# Altium PCB carboard.PcbDoc (part 3 of 4) (continued)
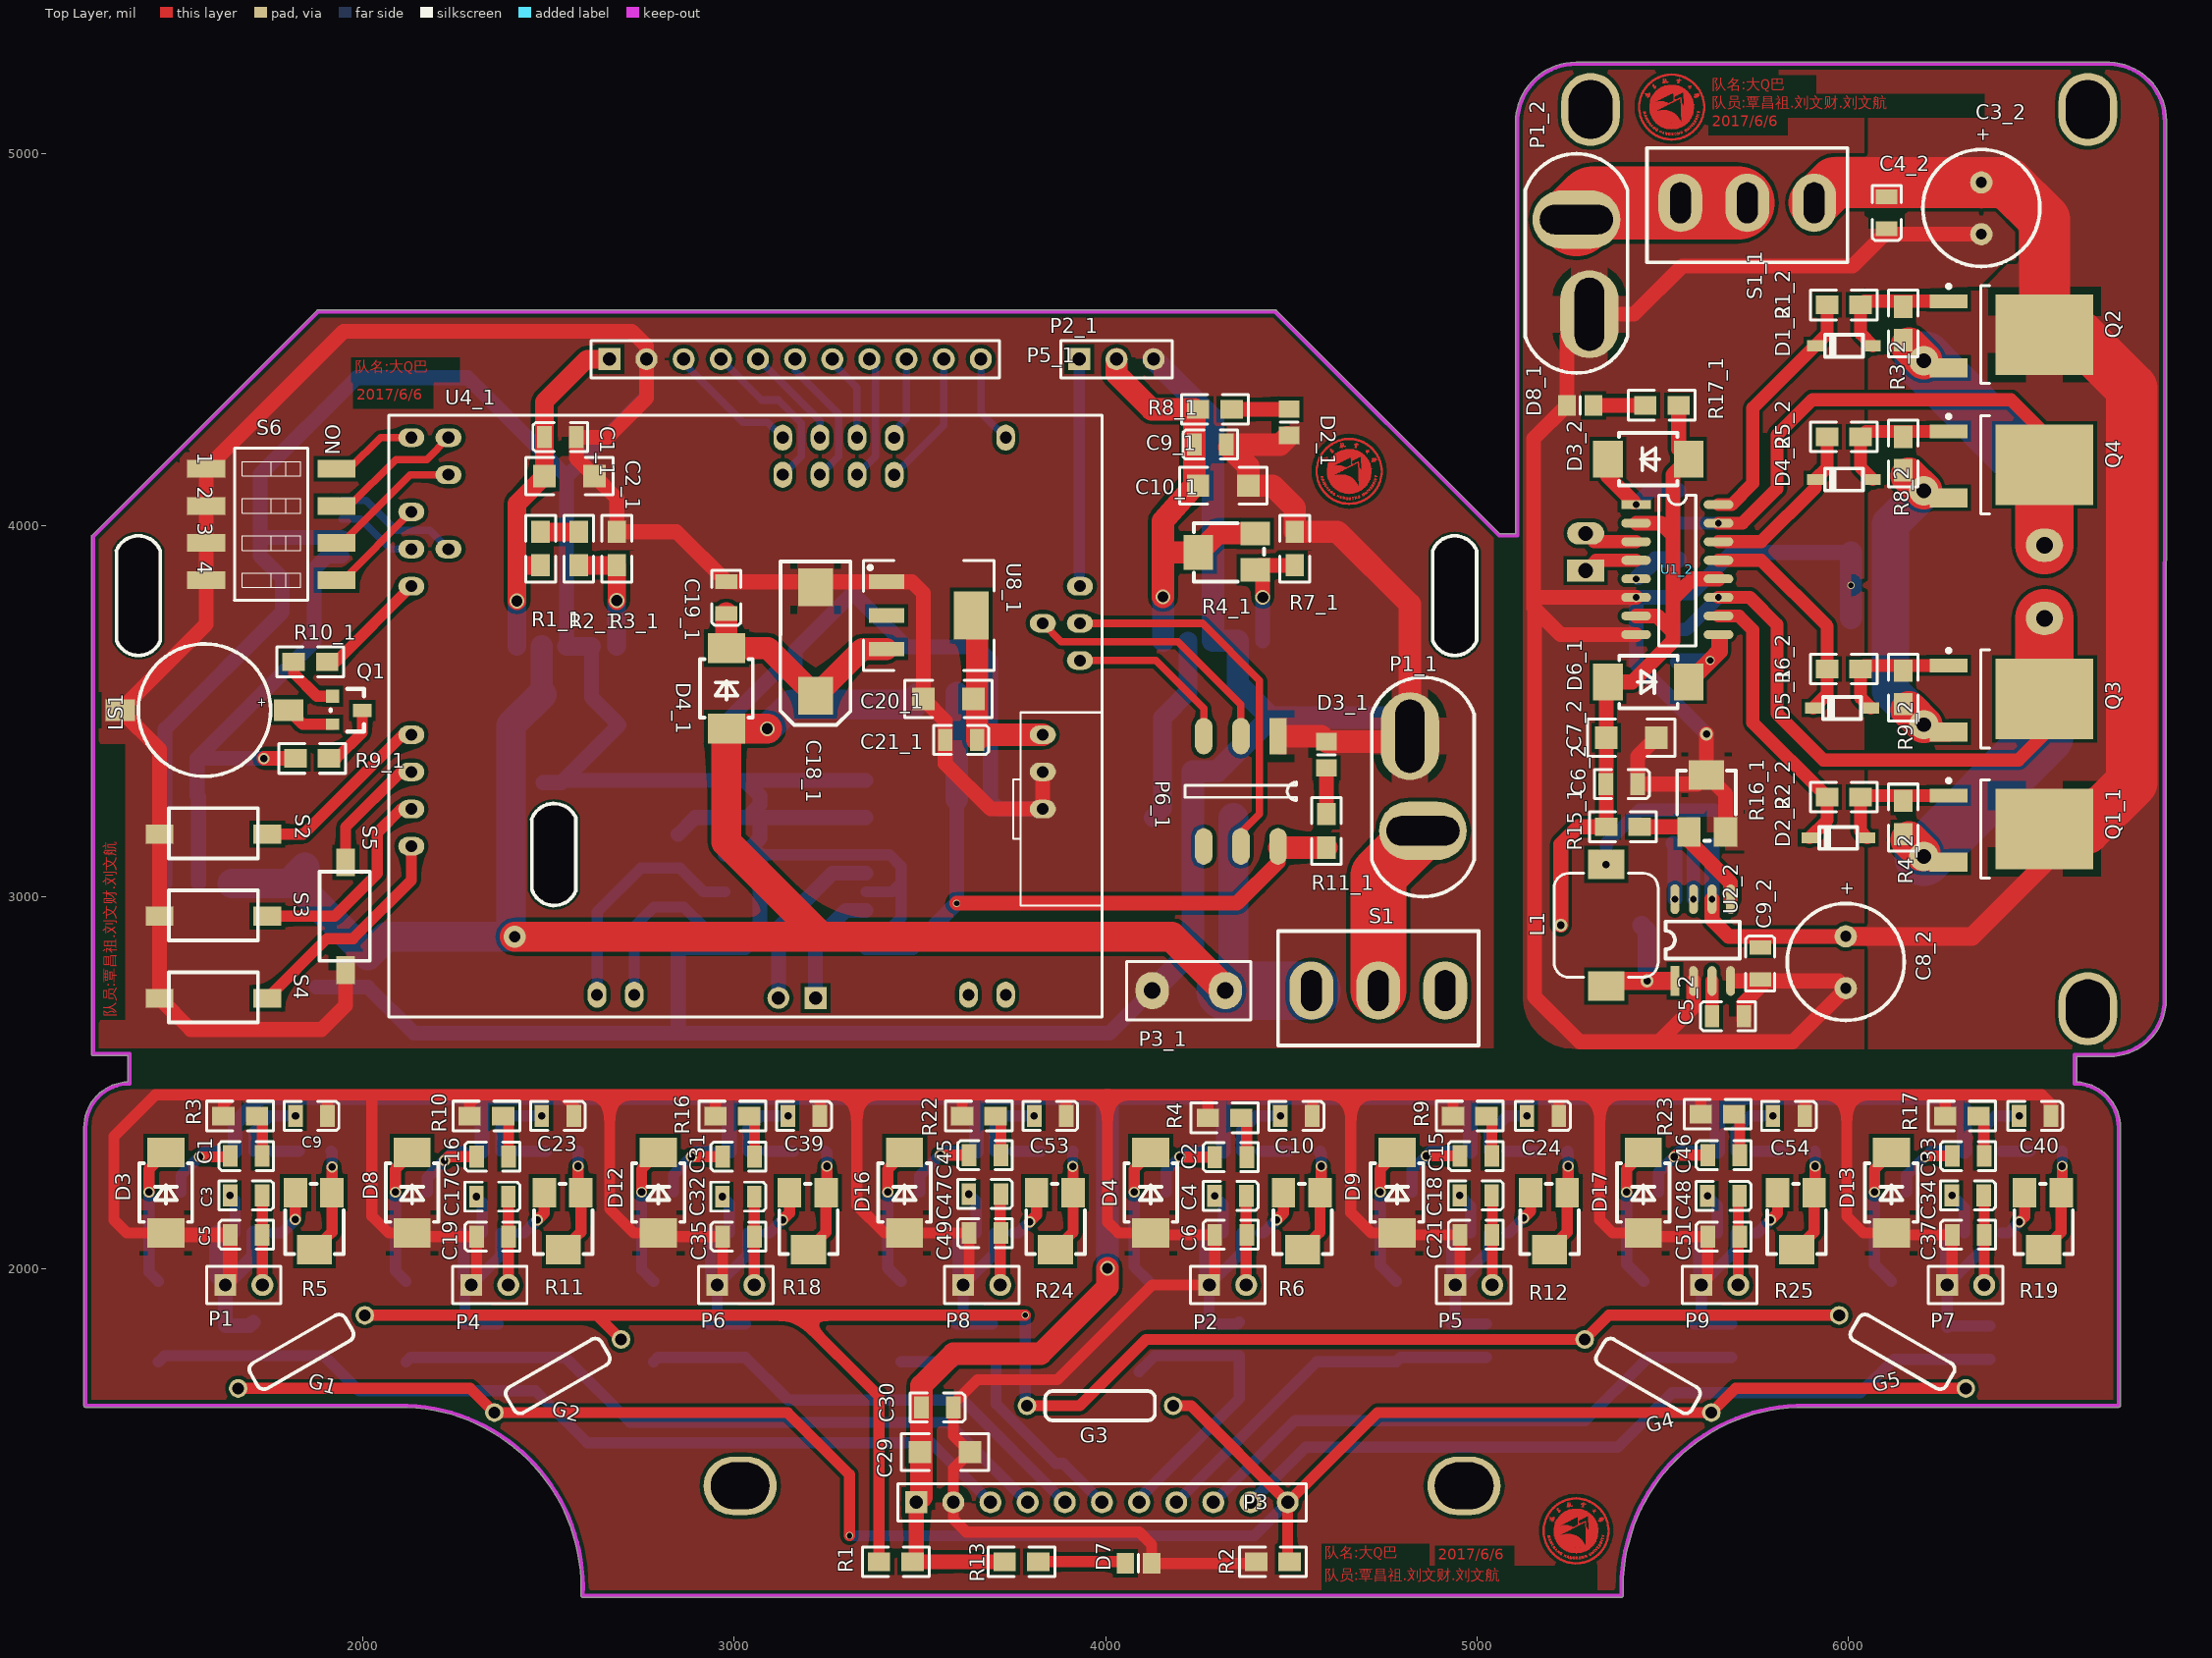
[diagram p0: Top Layer view]
## Nets (pads, with @x,y where several pads share a name; then routed paths per layer and width w, separated by ;. In a path a pad name is that pad's centre, name@x,y a point inside that pad or via, vN(x,y) a via of type N, cw(c..) or ccw(c..) an arc to the next point about the centre after c; other vN are vias at no path point) (continued)
; 5483.28,5064.7 5485.28,5064.7 ; 5483.28,5206.7 5493.28,5206.7 ; 5484.28,5082.7 5513.28,5082.7 ; 5484.28,5171.7 5562.28,5171.7 ; 5484.28,5172.7 5562.28,5172.7 ; 5485.28,5046.7 5496.28,5046.7 ; 5485.28,5066.7 5486.28,5066.7 ; 5485.28,5067.7 5486.28,5067.7 ; 5485.28,5081.7 5513.28,5081.7 ; 5485.28,5207.7 5496.28,5207.7 ; 5486.28,5080.7 5512.28,5080.7 ; 5486.28,5141.7 5502.28,5141.7 ; 5486.28,5173.7 5560.28,5173.7 ; 5487.28,5045.7 5500.28,5045.7 ; 5487.28,5079.7 5512.28,5079.7 ; 5487.28,5174.7 5559.28,5174.7 ; 5487.28,5208.7 5500.28,5208.7 ; 5488.28,5116.7 5515.28,5116.7 ; 5489.28,5044.7 5502.28,5044.7 ; 5489.28,5078.7 5559.28,5078.7 ; 5489.28,5175.7 5558.28,5175.7 ; 5489.28,5209.7 5502.28,5209.7 ; 5490.28,5058.7 5491.28,5058.7 ; 5490.28,5077.7 5557.28,5077.7 ; 5490.28,5176.7 5557.28,5176.7 ; 5491.28,5059.7 5492.28,5059.7 ; 5491.28,5060.7 5494.28,5060.7 ; 5492.28,5043.7 5508.28,5043.7 ; 5492.28,5061.7 5493.28,5061.7 ; 5492.28,5062.7 5493.28,5062.7 ; 5492.28,5076.7 5555.28,5076.7 ; 5492.28,5177.7 5554.28,5177.7 ; 5492.28,5210.7 5508.28,5210.7 ; 5493.28,5075.7 5553.28,5075.7 ; 5493.28,5178.7 5553.28,5178.7 ; 5494.28,5042.7 5514.28,5042.7 ; 5494.28,5057.7 5495.28,5057.7 ; 5494.28,5058.7 5496.28,5058.7 ; 5494.28,5059.7 5496.28,5059.7 ; 5494.28,5117.7 5510.28,5117.7 ; 5494.28,5211.7 5514.28,5211.7 ; 5495.28,5060.7 5496.28,5060.7 ; 5495.28,5074.7 5552.28,5074.7 ; 5495.28,5179.7 5552.28,5179.7 ; 5496.28,5061.7 5497.28,5061.7 ; 5497.28,5041.7 5550.28,5041.7 ; 5497.28,5073.7 5549.28,5073.7 ; 5498.28,5055.7 5499.28,5055.7 ; 5498.28,5056.7 5501.28,5056.7 ; 5498.28,5180.7 5550.28,5180.7 ; 5498.28,5191.7 5500.28,5191.7 ; 5498.28,5192.7 5500.28,5192.7 ; 5498.28,5212.7 5549.28,5212.7 ; 5499.28,5057.7 5500.28,5057.7 ; 5499.28,5072.7 5547.28,5072.7 ; 5499.28,5181.7 5547.28,5181.7 ; 5500.28,5055.7 5503.28,5055.7 ; 5500.28,5058.7 5501.28,5058.7 ; 5500.28,5193.7 5505.28,5193.7 ; 5500.28,5194.7 5505.28,5194.7 ; 5500.28,5197.7 5504.28,5197.7 ; 5500.28,5198.7 5504.28,5198.7 ; 5500.28,5202.7 5503.28,5202.7 ; 5501.28,5040.7 5546.28,5040.7 ; 5501.28,5059.7 5503.28,5059.7 ; 5501.28,5192.7 5503.28,5192.7 ; 5501.28,5195.7 5505.28,5195.7 ; 5501.28,5196.7 5505.28,5196.7 ; 5501.28,5199.7 5503.28,5199.7 ; 5501.28,5200.7 5502.28,5200.7 ; 5501.28,5201.7 5503.28,5201.7 ; 5502.28,5053.7 5503.28,5053.7 ; 5502.28,5054.7 5503.28,5054.7 ; 5502.28,5056.7 5503.28,5056.7 ; 5502.28,5057.7 5503.28,5057.7 ; 5502.28,5058.7 5503.28,5058.7 ; 5502.28,5071.7 5544.28,5071.7 ; 5502.28,5182.7 5545.28,5182.7 ; 5502.28,5191.7 5503.28,5191.7 ; 5502.28,5213.7 5545.28,5213.7 ; 5504.28,5070.7 5542.28,5070.7 ; 5504.28,5183.7 5542.28,5183.7 ; 5504.28,5191.7 5506.28,5191.7 ; 5504.28,5192.7 5505.28,5192.7 ; 5504.28,5214.7 5542.28,5214.7 ; 5505.28,5039.7 5542.28,5039.7 ; 5505.28,5197.7 5509.28,5197.7 ; 5505.28,5202.7 5508.28,5202.7 ; 5506.28,5052.7 5507.28,5052.7 ; 5506.28,5053.7 5507.28,5053.7 ; 5506.28,5054.7 5507.28,5054.7 ; 5506.28,5055.7 5507.28,5055.7 ; 5506.28,5194.7 5507.28,5194.7 ; 5506.28,5195.7 5509.28,5195.7 ; 5506.28,5198.7 5509.28,5198.7 ; 5507.28,5057.7 5509.28,5057.7 ; 5507.28,5058.7 5509.28,5058.7 ; 5507.28,5196.7 5509.28,5196.7 ; 5507.28,5199.7 5509.28,5199.7 ; 5507.28,5201.7 5508.28,5201.7 ; 5508.28,5055.7 5509.28,5055.7 ; 5508.28,5056.7 5509.28,5056.7 ; 5508.28,5200.7 5509.28,5200.7 ; 5509.28,5052.7 5511.28,5052.7 ; 5509.28,5053.7 5510.28,5053.7 ; 5509.28,5054.7 5510.28,5054.7 ; 5509.28,5069.7 5538.28,5069.7 ; 5509.28,5184.7 5538.28,5184.7 ; 5509.28,5193.7 5513.28,5193.7 ; 5511.28,5038.7 5536.28,5038.7 ; 5511.28,5054.7 5512.28,5054.7 ; 5511.28,5055.7 5512.28,5055.7 ; 5511.28,5056.7 5512.28,5056.7 ; 5511.28,5057.7 5512.28,5057.7 ; 5511.28,5194.7 5514.28,5194.7 ; 5511.28,5215.7 5535.28,5215.7 ; 5512.28,5068.7 5534.28,5068.7 ; 5513.28,5185.7 5536.28,5185.7 ; 5514.28,5053.7 5516.28,5053.7 ; 5514.28,5054.7 5516.28,5054.7 ; 5514.28,5080.7 5520.28,5080.7 ; 5514.28,5081.7 5518.28,5081.7 ; 5514.28,5082.7 5518.28,5082.7 ; 5514.28,5083.7 5517.28,5083.7 ; 5514.28,5084.7 5518.28,5084.7 ; 5514.28,5085.7 5518.28,5085.7 ; 5515.28,5052.7 5516.28,5052.7 ; 5515.28,5055.7 5516.28,5055.7 ; 5515.28,5056.7 5520.28,5056.7 ; 5515.28,5079.7 5519.28,5079.7 ; 5516.28,5051.7 5520.28,5051.7 ; 5516.28,5136.7 5519.28,5136.7 ; 5517.28,5137.7 5521.28,5137.7 ; 5518.28,5052.7 5520.28,5052.7 ; 5518.28,5053.7 5520.28,5053.7 ; 5519.28,5055.7 5520.28,5055.7 ; 5519.28,5083.7 5521.28,5083.7 ; 5519.28,5084.7 5521.28,5084.7 ; 5520.28,5081.7 5521.28,5081.7 ; 5520.28,5082.7 5521.28,5082.7 ; 5520.28,5138.7 5523.28,5138.7 ; 5521.28,5037.7 5522.28,5037.7 ; 5521.28,5079.7 5527.28,5079.7 ; 5521.28,5085.7 5526.28,5085.7 ; 5521.28,5139.7 5525.28,5139.7 ; 5522.28,5080.7 5527.28,5080.7 ; 5522.28,5081.7 5528.28,5081.7 ; 5522.28,5084.7 5525.28,5084.7 ; 5523.28,5051.7 5525.28,5051.7 ; 5523.28,5052.7 5527.28,5052.7 ; 5523.28,5053.7 5526.28,5053.7 ; 5523.28,5054.7 5526.28,5054.7 ; 5523.28,5055.7 5527.28,5055.7 ; 5523.28,5056.7 5524.28,5056.7 ; 5523.28,5066.7 5524.28,5066.7 ; 5523.28,5082.7 5527.28,5082.7 ; 5523.28,5083.7 5525.28,5083.7 ; 5523.28,5216.7 5524.28,5216.7 ; 5524.28,5037.7 5525.28,5037.7 ; 5524.28,5140.7 5527.28,5140.7 ; 5525.28,5141.7 5529.28,5141.7 ; 5526.28,5051.7 5528.28,5051.7 ; 5526.28,5056.7 5527.28,5056.7 ; 5526.28,5083.7 5534.28,5083.7 ; 5528.28,5084.7 5531.28,5084.7 ; 5528.28,5142.7 5531.28,5142.7 ; 5528.28,5162.7 5544.28,5162.7 ; 5528.28,5163.7 5546.28,5163.7 ; 5528.28,5165.7 5550.28,5165.7 ; 5529.28,5079.7 5531.28,5079.7 ; 5529.28,5080.7 5532.28,5080.7 ; 5529.28,5082.7 5534.28,5082.7 ; 5529.28,5085.7 5532.28,5085.7 ; 5529.28,5143.7 5533.28,5143.7 ; 5529.28,5144.7 5534.28,5144.7 ; 5529.28,5145.7 5537.28,5145.7 ; 5529.28,5146.7 5538.28,5146.7 ; 5529.28,5147.7 5531.28,5147.7 ; 5529.28,5148.7 5530.28,5148.7 ; 5529.28,5149.7 5530.28,5149.7 ; 5529.28,5150.7 5530.28,5150.7 ; 5529.28,5151.7 5530.28,5151.7 ; 5529.28,5152.7 5530.28,5152.7 ; 5529.28,5153.7 5530.28,5153.7 ; 5529.28,5154.7 5531.28,5154.7 ; 5529.28,5155.7 5531.28,5155.7 ; 5529.28,5156.7 5532.28,5156.7 ; 5529.28,5157.7 5534.28,5157.7 ; 5529.28,5158.7 5536.28,5158.7 ; 5529.28,5159.7 5538.28,5159.7 ; 5529.28,5160.7 5540.28,5160.7 ; 5529.28,5161.7 5542.28,5161.7 ; 5529.28,5164.7 5548.28,5164.7 ; 5530.28,5081.7 5533.28,5081.7 ; 5531.28,5052.7 5532.28,5052.7 ; 5531.28,5053.7 5532.28,5053.7 ; 5531.28,5054.7 5532.28,5054.7 ; 5531.28,5055.7 5532.28,5055.7 ; 5531.28,5056.7 5532.28,5056.7 ; 5532.28,5057.7 5534.28,5057.7 ; 5532.28,5079.7 5533.28,5079.7 ; 5532.28,5084.7 5534.28,5084.7 ; 5533.28,5042.7 5552.28,5042.7 ; 5533.28,5051.7 5534.28,5051.7 ; 5533.28,5080.7 5535.28,5080.7 ; 5533.28,5211.7 5552.28,5211.7 ; 5534.28,5056.7 5536.28,5056.7 ; 5535.28,5052.7 5536.28,5052.7 ; 5535.28,5053.7 5536.28,5053.7 ; 5535.28,5054.7 5536.28,5054.7 ; 5535.28,5055.7 5536.28,5055.7 ; 5535.28,5081.7 5562.28,5081.7 ; 5535.28,5085.7 5549.28,5085.7 ; 5536.28,5079.7 5559.28,5079.7 ; 5536.28,5080.7 5560.28,5080.7 ; 5536.28,5082.7 5562.28,5082.7 ; 5536.28,5083.7 5564.28,5083.7 ; 5536.28,5084.7 5565.28,5084.7 ; 5537.28,5198.7 5538.28,5198.7 ; 5537.28,5199.7 5539.28,5199.7 ; 5538.28,5057.7 5541.28,5057.7 ; 5538.28,5058.7 5540.28,5058.7 ; 5538.28,5147.7 5541.28,5147.7 ; 5538.28,5191.7 5544.28,5191.7 ; 5538.28,5200.7 5547.28,5200.7 ; 5538.28,5210.7 5555.28,5210.7 ; 5539.28,5043.7 5555.28,5043.7 ; 5539.28,5054.7 5540.28,5054.7 ; 5539.28,5055.7 5540.28,5055.7 ; 5539.28,5056.7 5540.28,5056.7 ; 5539.28,5148.7 5542.28,5148.7 ; 5539.28,5201.7 5540.28,5201.7 ; 5540.28,5052.7 5541.28,5052.7 ; 5540.28,5053.7 5541.28,5053.7 ; 5540.28,5192.7 5542.28,5192.7 ; 5540.28,5193.7 5543.28,5193.7 ; 5540.28,5194.7 5543.28,5194.7 ; 5540.28,5196.7 5541.28,5196.7 ; 5540.28,5197.7 5542.28,5197.7 ; 5540.28,5198.7 5542.28,5198.7 ; 5541.28,5056.7 5542.28,5056.7 ; 5541.28,5149.7 5545.28,5149.7 ; 5542.28,5054.7 5545.28,5054.7 ; 5542.28,5055.7 5543.28,5055.7 ; 5542.28,5195.7 5543.28,5195.7 ; 5542.28,5201.7 5545.28,5201.7 ; 5543.28,5053.7 5544.28,5053.7 ; 5543.28,5056.7 5545.28,5056.7 ; 5543.28,5057.7 5544.28,5057.7 ; 5543.28,5058.7 5544.28,5058.7 ; 5543.28,5059.7 5544.28,5059.7 ; 5543.28,5150.7 5546.28,5150.7 ; 5543.28,5196.7 5545.28,5196.7 ; 5543.28,5197.7 5545.28,5197.7 ; 5543.28,5198.7 5545.28,5198.7 ; 5543.28,5202.7 5545.28,5202.7 ; 5543.28,5203.7 5544.28,5203.7 ; 5544.28,5044.7 5558.28,5044.7 ; 5544.28,5055.7 5545.28,5055.7 ; 5544.28,5199.7 5545.28,5199.7 ; 5544.28,5209.7 5558.28,5209.7 ; 5545.28,5151.7 5549.28,5151.7 ; 5547.28,5045.7 5560.28,5045.7 ; 5547.28,5056.7 5552.28,5056.7 ; 5547.28,5057.7 5548.28,5057.7 ; 5547.28,5058.7 5548.28,5058.7 ; 5547.28,5059.7 5548.28,5059.7 ; 5547.28,5060.7 5548.28,5060.7 ; 5547.28,5152.7 5549.28,5152.7 ; 5547.28,5198.7 5549.28,5198.7 ; 5547.28,5199.7 5549.28,5199.7 ; 5547.28,5208.7 5560.28,5208.7 ; 5548.28,5139.7 5550.28,5139.7 ; 5548.28,5141.7 5550.28,5141.7 ; 5548.28,5142.7 5550.28,5142.7 ; 5548.28,5143.7 5550.28,5143.7 ; 5548.28,5144.7 5550.28,5144.7 ; 5548.28,5145.7 5550.28,5145.7 ; 5548.28,5146.7 5550.28,5146.7 ; 5548.28,5147.7 5550.28,5147.7 ; 5548.28,5148.7 5550.28,5148.7 ; 5548.28,5149.7 5549.28,5149.7 ; 5548.28,5150.7 5549.28,5150.7 ; 5549.28,5055.7 5550.28,5055.7 ; 5549.28,5061.7 5551.28,5061.7 ; 5549.28,5102.7 5578.28,5102.7 ; 5549.28,5103.7 5578.28,5103.7 ; 5549.28,5104.7 5578.28,5104.7 ; 5549.28,5105.7 5580.28,5105.7 ; 5549.28,5106.7 5579.28,5106.7 ; 5549.28,5107.7 5580.28,5107.7 ; 5549.28,5108.7 5580.28,5108.7 ; 5549.28,5109.7 5580.28,5109.7 ; 5549.28,5110.7 5580.28,5110.7 ; 5549.28,5111.7 5582.28,5111.7 ; 5549.28,5112.7 5581.28,5112.7 ; 5549.28,5113.7 5581.28,5113.7 ; 5549.28,5114.7 5582.28,5114.7 ; 5549.28,5115.7 5582.28,5115.7 ; 5549.28,5116.7 5582.28,5116.7 ; 5549.28,5117.7 5582.28,5117.7 ; 5549.28,5118.7 5582.28,5118.7 ; 5549.28,5119.7 5582.28,5119.7 ; 5549.28,5120.7 5582.28,5120.7 ; 5549.28,5121.7 5583.28,5121.7 ; 5549.28,5122.7 5583.28,5122.7 ; 5549.28,5123.7 5583.28,5123.7 ; 5549.28,5124.7 5583.28,5124.7 ; 5549.28,5125.7 5583.28,5125.7 ; 5549.28,5126.7 5583.28,5126.7 ; 5549.28,5127.7 5583.28,5127.7 ; 5549.28,5128.7 5556.28,5128.7 ; 5549.28,5129.7 5556.28,5129.7 ; 5549.28,5130.7 5555.28,5130.7 ; 5549.28,5131.7 5554.28,5131.7 ; 5549.28,5132.7 5554.28,5132.7 ; 5549.28,5133.7 5553.28,5133.7 ; 5549.28,5134.7 5552.28,5134.7 ; 5549.28,5135.7 5551.28,5135.7 ; 5549.28,5136.7 5551.28,5136.7 ; 5549.28,5137.7 5550.28,5137.7 ; 5549.28,5138.7 5550.28,5138.7 ; 5549.28,5140.7 5550.28,5140.7 ; 5550.28,5058.7 5553.28,5058.7 ; 5550.28,5085.7 5566.28,5085.7 ; 5550.28,5086.7 5567.28,5086.7 ; 5550.28,5087.7 5568.28,5087.7 ; 5550.28,5088.7 5569.28,5088.7 ; 5550.28,5089.7 5569.28,5089.7 ; 5550.28,5090.7 5571.28,5090.7 ; 5550.28,5091.7 5571.28,5091.7 ; 5550.28,5092.7 5572.28,5092.7 ; 5550.28,5093.7 5573.28,5093.7 ; 5550.28,5094.7 5573.28,5094.7 ; 5550.28,5095.7 5574.28,5095.7 ; 5550.28,5096.7 5575.28,5096.7 ; 5550.28,5097.7 5575.28,5097.7 ; 5550.28,5098.7 5577.28,5098.7 ; 5550.28,5099.7 5576.28,5099.7 ; 5550.28,5100.7 5577.28,5100.7 ; 5550.28,5101.7 5577.28,5101.7 ; 5551.28,5046.7 5562.28,5046.7 ; 5551.28,5057.7 5553.28,5057.7 ; 5551.28,5059.7 5552.28,5059.7 ; 5551.28,5207.7 5562.28,5207.7 ; 5553.28,5047.7 5564.28,5047.7 ; 5553.28,5206.7 5564.28,5206.7 ; 5556.28,5048.7 5566.28,5048.7 ; 5556.28,5150.7 5578.28,5150.7 ; 5556.28,5151.7 5578.28,5151.7 ; 5556.28,5152.7 5577.28,5152.7 ; 5556.28,5153.7 5577.28,5153.7 ; 5556.28,5154.7 5576.28,5154.7 ; 5556.28,5155.7 5576.28,5155.7 ; 5556.28,5156.7 5575.28,5156.7 ; 5556.28,5157.7 5575.28,5157.7 ; 5556.28,5158.7 5574.28,5158.7 ; 5556.28,5159.7 5573.28,5159.7 ; 5556.28,5160.7 5573.28,5160.7 ; 5556.28,5161.7 5572.28,5161.7 ; 5556.28,5162.7 5571.28,5162.7 ; 5556.28,5163.7 5570.28,5163.7 ; 5556.28,5164.7 5569.28,5164.7 ; 5556.28,5165.7 5569.28,5165.7 ; 5556.28,5166.7 5568.28,5166.7 ; 5556.28,5167.7 5567.28,5167.7 ; 5556.28,5205.7 5566.28,5205.7 ; 5557.28,5128.7 5583.28,5128.7 ; 5557.28,5129.7 5583.28,5129.7 ; 5557.28,5130.7 5583.28,5130.7 ; 5557.28,5131.7 5583.28,5131.7 ; 5557.28,5132.7 5583.28,5132.7 ; 5557.28,5133.7 5584.28,5133.7 ; 5557.28,5134.7 5582.28,5134.7 ; 5557.28,5135.7 5582.28,5135.7 ; 5557.28,5136.7 5582.28,5136.7 ; 5557.28,5137.7 5582.28,5137.7 ; 5557.28,5138.7 5582.28,5138.7 ; 5557.28,5139.7 5582.28,5139.7 ; 5557.28,5140.7 5582.28,5140.7 ; 5557.28,5141.7 5581.28,5141.7 ; 5557.28,5142.7 5581.28,5142.7 ; 5557.28,5143.7 5580.28,5143.7 ; 5557.28,5144.7 5581.28,5144.7 ; 5557.28,5145.7 5580.28,5145.7 ; 5557.28,5146.7 5580.28,5146.7 ; 5557.28,5147.7 5580.28,5147.7 ; 5557.28,5148.7 5579.28,5148.7 ; 5557.28,5149.7 5579.28,5149.7 ; 5558.28,5049.7 5567.28,5049.7 ; 5558.28,5063.7 5560.28,5063.7 ; 5558.28,5064.7 5559.28,5064.7 ; 5558.28,5065.7 5559.28,5065.7 ; 5558.28,5204.7 5567.28,5204.7 ; 5559.28,5062.7 5560.28,5062.7 ; 5560.28,5061.7 5563.28,5061.7 ; 5561.28,5050.7 5570.28,5050.7 ; 5561.28,5066.7 5563.28,5066.7 ; 5561.28,5067.7 5562.28,5067.7 ; 5561.28,5203.7 5569.28,5203.7 ; 5562.28,5051.7 5571.28,5051.7 ; 5562.28,5064.7 5564.28,5064.7 ; 5562.28,5065.7 5564.28,5065.7 ; 5562.28,5202.7 5571.28,5202.7 ; 5563.28,5062.7 5564.28,5062.7 ; 5563.28,5063.7 5564.28,5063.7 ; 5564.28,5069.7 5568.28,5069.7 ; 5565.28,5052.7 5573.28,5052.7 ; 5565.28,5068.7 5566.28,5068.7 ; 5565.28,5083.7 5566.28,5083.7 ; 5565.28,5201.7 5573.28,5201.7 ; 5566.28,5053.7 5574.28,5053.7 ; 5566.28,5066.7 5568.28,5066.7 ; 5566.28,5067.7 5567.28,5067.7 ; 5566.28,5200.7 5574.28,5200.7 ; 5567.28,5054.7 5575.28,5054.7 ; 5567.28,5065.7 5568.28,5065.7 ; 5567.28,5068.7 5569.28,5068.7 ; 5567.28,5199.7 5575.28,5199.7 ; 5568.28,5071.7 5569.28,5071.7 ; 5568.28,5072.7 5569.28,5072.7 ; 5568.28,5179.7 5571.28,5179.7 ; 5568.28,5180.7 5576.28,5180.7 ; 5569.28,5055.7 5577.28,5055.7 ; 5569.28,5069.7 5571.28,5069.7 ; 5569.28,5070.7 5570.28,5070.7 ; 5569.28,5182.7 5571.28,5182.7 ; 5569.28,5183.7 5570.28,5183.7 ; 5569.28,5198.7 5577.28,5198.7 ; 5570.28,5067.7 5571.28,5067.7 ; 5570.28,5068.7 5572.28,5068.7 ; 5570.28,5089.7 5571.28,5089.7 ; 5571.28,5056.7 5578.28,5056.7 ; 5571.28,5074.7 5573.28,5074.7 ; 5571.28,5075.7 5572.28,5075.7 ; 5571.28,5175.7 5572.28,5175.7 ; 5571.28,5176.7 5572.28,5176.7 ; 5571.28,5177.7 5572.28,5177.7 ; 5571.28,5181.7 5574.28,5181.7 ; 5571.28,5197.7 5578.28,5197.7 ; 5572.28,5057.7 5580.28,5057.7 ; 5572.28,5073.7 5573.28,5073.7 ; 5573.28,5072.7 5574.28,5072.7 ; 5573.28,5182.7 5574.28,5182.7 ; 5573.28,5195.7 5580.28,5195.7 ; 5573.28,5196.7 5579.28,5196.7 ; 5574.28,5058.7 5580.28,5058.7 ; 5574.28,5071.7 5576.28,5071.7 ; 5574.28,5077.7 5576.28,5077.7 ; 5574.28,5179.7 5576.28,5179.7 ; 5574.28,5183.7 5576.28,5183.7 ; 5575.28,5076.7 5578.28,5076.7 ; 5575.28,5184.7 5576.28,5184.7 ; 5575.28,5194.7 5582.28,5194.7 ; 5576.28,5059.7 5582.28,5059.7 ; 5576.28,5060.7 5582.28,5060.7 ; 5576.28,5080.7 5578.28,5080.7 ; 5576.28,5193.7 5583.28,5193.7 ; 5577.28,5075.7 5580.28,5075.7 ; 5577.28,5079.7 5578.28,5079.7 ; 5578.28,5061.7 5585.28,5061.7 ; 5578.28,5077.7 5579.28,5077.7 ; 5578.28,5078.7 5579.28,5078.7 ; 5578.28,5192.7 5584.28,5192.7 ; 5579.28,5062.7 5585.28,5062.7 ; 5579.28,5076.7 5580.28,5076.7 ; 5579.28,5083.7 5580.28,5083.7 ; 5579.28,5191.7 5585.28,5191.7 ; 5580.28,5063.7 5586.28,5063.7 ; 5580.28,5082.7 5582.28,5082.7 ; 5580.28,5084.7 5581.28,5084.7 ; 5580.28,5190.7 5587.28,5190.7 ; 5581.28,5064.7 5587.28,5064.7 ; 5581.28,5081.7 5583.28,5081.7 ; 5581.28,5085.7 5582.28,5085.7 ; 5581.28,5189.7 5587.28,5189.7 ; 5582.28,5065.7 5588.28,5065.7 ; 5582.28,5080.7 5584.28,5080.7 ; 5582.28,5083.7 5583.28,5083.7 ; 5582.28,5188.7 5588.28,5188.7 ; 5583.28,5066.7 5589.28,5066.7 ; 5583.28,5079.7 5584.28,5079.7 ; 5583.28,5088.7 5585.28,5088.7 ; 5583.28,5089.7 5584.28,5089.7 ; 5583.28,5154.7 5584.28,5154.7 ; 5583.28,5187.7 5589.28,5187.7 ; 5584.28,5067.7 5590.28,5067.7 ; 5584.28,5081.7 5585.28,5081.7 ; 5584.28,5087.7 5587.28,5087.7 ; 5584.28,5090.7 5585.28,5090.7 ; 5584.28,5153.7 5589.28,5153.7 ; 5584.28,5186.7 5590.28,5186.7 ; 5585.28,5068.7 5591.28,5068.7 ; 5585.28,5082.7 5586.28,5082.7 ; 5585.28,5091.7 5587.28,5091.7 ; 5585.28,5152.7 5586.28,5152.7 ; 5585.28,5155.7 5588.28,5155.7 ; 5585.28,5156.7 5586.28,5156.7 ; 5585.28,5160.7 5588.28,5160.7 ; 5585.28,5185.7 5591.28,5185.7 ; 5586.28,5069.7 5592.28,5069.7 ; 5586.28,5086.7 5589.28,5086.7 ; 5586.28,5088.7 5587.28,5088.7 ; 5586.28,5089.7 5590.28,5089.7 ; 5586.28,5090.7 5587.28,5090.7 ; 5586.28,5154.7 5589.28,5154.7 ; 5586.28,5161.7 5588.28,5161.7 ; 5586.28,5184.7 5591.28,5184.7 ; 5587.28,5070.7 5593.28,5070.7 ; 5587.28,5085.7 5588.28,5085.7 ; 5587.28,5094.7 5590.28,5094.7 ; 5587.28,5095.7 5588.28,5095.7 ; 5587.28,5096.7 5588.28,5096.7 ; 5587.28,5157.7 5590.28,5157.7 ; 5587.28,5183.7 5593.28,5183.7 ; 5588.28,5071.7 5593.28,5071.7 ; 5588.28,5097.7 5590.28,5097.7 ; 5588.28,5182.7 5593.28,5182.7 ; 5589.28,5072.7 5594.28,5072.7 ; 5589.28,5073.7 5595.28,5073.7 ; 5589.28,5088.7 5590.28,5088.7 ; 5589.28,5095.7 5591.28,5095.7 ; 5589.28,5101.7 5592.28,5101.7 ; 5589.28,5152.7 5590.28,5152.7 ; 5589.28,5155.7 5594.28,5155.7 ; 5589.28,5156.7 5594.28,5156.7 ; 5589.28,5159.7 5598.28,5159.7 ; 5589.28,5160.7 5590.28,5160.7 ; 5589.28,5161.7 5591.28,5161.7 ; 5589.28,5180.7 5595.28,5180.7 ; 5589.28,5181.7 5594.28,5181.7 ; 5590.28,5096.7 5593.28,5096.7 ; 5590.28,5158.7 5596.28,5158.7 ; 5590.28,5179.7 5596.28,5179.7 ; 5591.28,5074.7 5596.28,5074.7 ; 5591.28,5075.7 5596.28,5075.7 ; 5591.28,5092.7 5592.28,5092.7 ; 5591.28,5093.7 5593.28,5093.7 ; 5591.28,5104.7 5592.28,5104.7 ; 5591.28,5105.7 5592.28,5105.7 ; 5591.28,5106.7 5596.28,5106.7 ; 5591.28,5157.7 5597.28,5157.7 ; 5591.28,5160.7 5597.28,5160.7 ; 5591.28,5162.7 5595.28,5162.7 ; 5591.28,5177.7 5597.28,5177.7 ; 5591.28,5178.7 5596.28,5178.7 ; 5592.28,5076.7 5597.28,5076.7 ; 5592.28,5094.7 5593.28,5094.7 ; 5592.28,5095.7 5593.28,5095.7 ; 5592.28,5100.7 5596.28,5100.7 ; 5592.28,5107.7 5593.28,5107.7 ; 5592.28,5108.7 5593.28,5108.7 ; 5592.28,5154.7 5595.28,5154.7 ; 5592.28,5161.7 5594.28,5161.7 ; 5593.28,5077.7 5598.28,5077.7 ; 5593.28,5078.7 5598.28,5078.7 ; 5593.28,5105.7 5598.28,5105.7 ; 5593.28,5112.7 5599.28,5112.7 ; 5593.28,5115.7 5595.28,5115.7 ; 5593.28,5153.7 5594.28,5153.7 ; 5593.28,5175.7 5598.28,5175.7 ; 5593.28,5176.7 5598.28,5176.7 ; 5594.28,5079.7 5599.28,5079.7 ; 5594.28,5099.7 5595.28,5099.7 ; 5594.28,5114.7 5596.28,5114.7 ; 5594.28,5174.7 5599.28,5174.7 ; 5595.28,5080.7 5600.28,5080.7 ; 5595.28,5173.7 5600.28,5173.7 ; 5596.28,5081.7 5600.28,5081.7 ; 5596.28,5082.7 5601.28,5082.7 ; 5596.28,5113.7 5599.28,5113.7 ; 5596.28,5161.7 5597.28,5161.7 ; 5596.28,5171.7 5601.28,5171.7 ; 5596.28,5172.7 5600.28,5172.7 ; 5597.28,5083.7 5602.28,5083.7 ; 5597.28,5084.7 5602.28,5084.7 ; 5597.28,5158.7 5598.28,5158.7 ; 5597.28,5169.7 5602.28,5169.7 ; 5597.28,5170.7 5602.28,5170.7 ; 5598.28,5085.7 5602.28,5085.7 ; 5598.28,5086.7 5603.28,5086.7 ; 5598.28,5167.7 5603.28,5167.7 ; 5598.28,5168.7 5602.28,5168.7 ; 5599.28,5087.7 5604.28,5087.7 ; 5599.28,5088.7 5604.28,5088.7 ; 5599.28,5165.7 5604.28,5165.7 ; 5599.28,5166.7 5603.28,5166.7 ; 5600.28,5089.7 5605.28,5089.7 ; 5600.28,5090.7 5605.28,5090.7 ; 5600.28,5163.7 5605.28,5163.7 ; 5600.28,5164.7 5605.28,5164.7 ; 5601.28,5091.7 5605.28,5091.7 ; 5601.28,5092.7 5606.28,5092.7 ; 5601.28,5161.7 5606.28,5161.7 ; 5601.28,5162.7 5605.28,5162.7 ; 5602.28,5093.7 5606.28,5093.7 ; 5602.28,5094.7 5607.28,5094.7 ; 5602.28,5095.7 5607.28,5095.7 ; 5602.28,5158.7 5607.28,5158.7 ; 5602.28,5159.7 5607.28,5159.7 ; 5602.28,5160.7 5606.28,5160.7 ; 5603.28,5096.7 5607.28,5096.7 ; 5603.28,5097.7 5608.28,5097.7 ; 5603.28,5156.7 5608.28,5156.7 ; 5603.28,5157.7 5607.28,5157.7 ; 5604.28,5098.7 5608.28,5098.7 ; 5604.28,5099.7 5609.28,5099.7 ; 5604.28,5153.7 5609.28,5153.7 ; 5604.28,5154.7 5609.28,5154.7 ; 5604.28,5155.7 5608.28,5155.7 ; 5605.28,5100.7 5609.28,5100.7 ; 5605.28,5101.7 5609.28,5101.7 ; 5605.28,5102.7 5609.28,5102.7 ; 5605.28,5103.7 5610.28,5103.7 ; 5605.28,5104.7 5610.28,5104.7 ; 5605.28,5150.7 5610.28,5150.7 ; 5605.28,5151.7 5609.28,5151.7 ; 5605.28,5152.7 5609.28,5152.7 ; 5606.28,5105.7 5610.28,5105.7 ; 5606.28,5106.7 5610.28,5106.7 ; 5606.28,5107.7 5611.28,5107.7 ; 5606.28,5147.7 5611.28,5147.7 ; 5606.28,5148.7 5610.28,5148.7 ; 5606.28,5149.7 5610.28,5149.7 ; 5607.28,5108.7 5611.28,5108.7 ; 5607.28,5109.7 5611.28,5109.7 ; 5607.28,5110.7 5611.28,5110.7 ; 5607.28,5111.7 5611.28,5111.7 ; 5607.28,5112.7 5612.28,5112.7 ; 5607.28,5113.7 5612.28,5113.7 ; 5607.28,5140.7 5612.28,5140.7 ; 5607.28,5141.7 5612.28,5141.7 ; 5607.28,5142.7 5611.28,5142.7 ; 5607.28,5143.7 5611.28,5143.7 ; 5607.28,5144.7 5611.28,5144.7 ; 5607.28,5145.7 5611.28,5145.7 ; 5607.28,5146.7 5611.28,5146.7 ; 5608.28,5114.7 5612.28,5114.7 ; 5608.28,5115.7 5612.28,5115.7 ; 5608.28,5116.7 5612.28,5116.7 ; 5608.28,5117.7 5612.28,5117.7 ; 5608.28,5118.7 5613.28,5118.7 ; 5608.28,5119.7 5613.28,5119.7 ; 5608.28,5120.7 5613.28,5120.7 ; 5608.28,5121.7 5613.28,5121.7 ; 5608.28,5131.7 5613.28,5131.7 ; 5608.28,5133.7 5613.28,5133.7 ; 5608.28,5134.7 5613.28,5134.7 ; 5608.28,5135.7 5613.28,5135.7 ; 5608.28,5136.7 5612.28,5136.7 ; 5608.28,5137.7 5612.28,5137.7 ; 5608.28,5138.7 5612.28,5138.7 ; 5608.28,5139.7 5612.28,5139.7 ; 5609.28,5122.7 5613.28,5122.7 ; 5609.28,5123.7 5613.28,5123.7 ; 5609.28,5124.7 5613.28,5124.7 ; 5609.28,5125.7 5613.28,5125.7 ; 5609.28,5126.7 5613.28,5126.7 ; 5609.28,5127.7 5613.28,5127.7 ; 5609.28,5128.7 5613.28,5128.7 ; 5609.28,5129.7 5613.28,5129.7 ; 5609.28,5130.7 5613.28,5130.7 ; 5609.28,5132.7 5613.28,5132.7
  Top Layer w20: 1929.21,3852.8 1947.01,3852.8 2130.79,4036.57 ; 1929.21,3952.8 1944.02,3952.8 2127.8,4136.57 2230.79,4136.57 ; 1929.21,4052.8 1964.02,4052.8 2089.02,4177.8 2172.01,4177.8 2230.79,4236.57 ; 1929.21,4152.8 1964.02,4152.8 2047.8,4236.57 2130.79,4236.57 ; 3830.79,3736.57 3880.29,3687.07 4194.74,3687.07 4364.02,3517.8 4364.02,3432.8 ; 3930.79,3636.57 4135.24,3636.57 4264.02,3507.8 4264.02,3432.8 ; 3930.79,3736.57 4260.24,3736.57 4414.02,3582.8 4414.02,3222.8 4364.02,3172.8 4364.02,3135.94
  Top Layer w30: v1(1425,2205) 1425,2267 1470,2312 ; 1470,2095 1365,2095 1330,2130 1330,2355 1442.01,2467.01 1650,2467.01 ; v1(1560,2300) 1641.04,2300 1643.66,2302.62 ; 1625,2410 1625,2442.01 1650,2467.01 ; 1646.76,2463.77 1650,2467.01 ; 1664.52,1676.57 2289.52,1676.57 2354.52,1611.57 3143.43,1611.57 3310,1445 v4(3310,1280) ; 1715,2410 1729.66,2395.34 1729.66,2302.62 ; 1729.06,2196.31 1730,2195.38 1730,1955 ; 1743.02,2726.8 1904.02,2887.8 1974.02,2887.8 2130.79,3044.57 2130.79,3136.57 ; 1743.02,2947.8 1924.02,2947.8 2039.02,3062.8 2039.02,3172.8 2102.8,3236.57 2130.79,3236.57 ; 1743.02,3168.8 1840.02,3168.8 2107.8,3436.57 2130.79,3436.57 ; 1800.39,3502.8 1838.15,3465.04 1918.74,3465.04 ; 1814.02,3632.8 1814.02,3602.8 1876.77,3540.04 1918.74,3540.04 ; v1(1818.82,2131.18) 1818.82,2203.86 ; 1870,2050.31 1917.24,2097.56 1917.24,2203.86 v1(1917.24,2272.76) ; 1904.02,3632.8 1927.01,3632.8 2130.79,3836.57 ; 1905,2410 1905,2450 1887.99,2467.01 ; 1909.02,3372.8 1929.02,3372.8 1998.74,3442.52 1998.74,3502.04 ; 1954.02,3092.8 1954.02,3187.8 2102.8,3336.57 2130.79,3336.57 ; 2005.48,1873.43 2630.48,1873.43 ; v1(2087.86,2205) 2087.86,2267 2132.86,2312 ; v1(2220,2290) 2230.96,2300.96 2306.52,2300.96 ; 2287.86,2410 2287.86,2444.87 2310,2467.01 ; 2292.14,1955 2306.52,1969.38 2306.52,2085 2142.86,2085 2132.86,2095 2070,2095 2025,2140 2025,2462.01 2030,2467.01 ; 2377.86,2410 2392.52,2395.34 2392.52,2300.96 ; 2391.92,2192.98 2392.14,2192.76 2392.14,1955 ; v1(2470,2130) 2488.82,2148.82 2488.82,2203.86 ; 2540,2050.31 2587.24,2097.56 2587.24,2203.86 2580,2211.1 v1(2580,2275) ; 2567.86,2410 2567.86,2437.14 2537.99,2467.01 ; 2695.48,1808.43 2630.48,1873.43 ; v1(2750.71,2205) 2750.71,2267 2795.71,2312 ; v1(2885,2300) 2884.04,2300.96 2968.66,2300.96 ; 2950,2410 2950,2467.01 ; 2954.29,1955 2968.66,1969.38 2968.66,2085 2805.71,2085 2795.71,2095 2730,2095 2665,2160 2665,2467.01 ; 3040,2410 3054.66,2395.34 3054.66,2300.96 ; 3054.06,2192.98 3054.29,2192.76 3054.29,1955 ; v1(3130,2130) 3148.82,2148.82 3148.82,2203.86 ; 3200,2050.31 3247.24,2097.56 3247.24,2203.86 3246.43,2204.67 3250,2208.25 v1(3250,2275) ; 3230.71,2410 3230.71,2466.29 3230,2467.01 ; 3390,1210 3390,1655 3171.57,1873.43 ; v1(3413.57,2205) 3413.57,2267 3458.57,2312 ; v1(3555,2305) 3555.71,2304.29 3632.23,2304.29 ; 3613.57,2410 3613.57,2465.58 3615,2467.01 ; 3616.43,1955 3632.23,1970.8 3632.23,2095 3458.57,2095 3405,2095 3330,2170 3330,2467.01 ; 3703.57,2410 3718.23,2395.34 3718.23,2304.29 ; 3716.43,1955 3716.43,2198.44 3717.63,2199.65 ; v4(3783.43,1873.43) 3171.57,1873.43 ; 3788.15,1630 3930,1630 4108.43,1808.43 5289.52,1808.43 5354.52,1873.43 5974.52,1873.43 ; v1(3795,2125) 3813.82,2143.82 3813.82,2203.86 ; 3818.33,1210 4048.47,1210 4053.1,1205.37 ; 3865,2050.31 3912.24,2097.56 3912.24,2203.86 3912.24,2272.76 v1(3911.12,2273.88) ; 3893.57,2410 3893.57,2465.58 3895,2467.01 ; v1(4076.43,2205) 4076.43,2267 4121.43,2312 ; 4181.85,1630 4230,1630 4490,1370 ; v1(4200,2300) 4200.71,2299.29 4293.66,2299.29 ; 4275,2405 4275,2462.01 4280,2467.01 ; 4365,2405 4379.66,2390.34 4379.66,2299.29 ; 4378.57,1955 4378.57,2194.15 4379.06,2194.65 ; 4405,1210 4400.37,1205.37 4123.97,1205.37 4123.97,1256.03 4090,1290 3625,1290 3590,1325 3590,1370 3590,1460 3635,1505 3590,1550 3590,1625 3590,1635 3655,1700 3870,1700 4125,1955 4278.57,1955 4293.66,1970.09 4293.66,2090 4126.43,2090 4121.43,2095 4035,2095 4005,2125 4005,2467.01 ; v1(4460,2130) 4478.82,2148.82 4478.82,2203.86 ; 4490,1215 4490,1370 ; 4530,2050.31 4577.24,2097.56 4577.24,2203.86 4575,2206.1 4580,2211.1 v1(4580,2275) ; 4556.43,2410 4556.43,2463.44 4560,2467.01 ; v1(4739.29,2205) 4739.29,2267 4784.29,2312 ; v1(4862.62,2302.62) 4953.66,2302.62 ; 4935,2410 4935,2462.01 4940,2467.01 ; 4940.71,1955 4953.66,1967.95 4953.66,2090 4789.29,2090 4784.29,2095 4715,2095 4660,2150 4660,2467.01 ; 5025,2410 5039.66,2395.34 5039.66,2302.62 ; 5039.06,2196.31 5040.71,2194.66 5040.71,1955 ; v1(5125,2135) 5143.82,2153.82 5143.82,2203.86 ; 5195,2050.31 5242.24,2097.56 5242.24,2203.86 5240,2206.1 5245,2211.1 v1(5245,2275) ; 5220,2410 5220,2467.01 ; v1(5402.14,2205) 5402.14,2267 5447.14,2312 ; v1(5530,2300) 5534.29,2304.29 5620.8,2304.29 ; 5602.14,2415 5602.14,2464.87 5600,2467.01 ; 5602.86,1955 5620.8,1972.95 5620.8,2085 5457.14,2085 5447.14,2095 5365,2095 5330,2130 5330,2467.01 ; 5692.14,2415 5706.8,2400.34 5706.8,2304.29 ; 5702.86,1955 5702.86,2191.3 5706.21,2194.65 ; v1(5790,2130) 5808.82,2148.82 5808.82,2203.86 ; 5860,2050.31 5907.24,2097.56 5907.24,2203.86 5910,2206.61 v1(5910,2275) ; 5882.14,2410 5882.14,2464.15 5885,2467.01 ; v1(6070,2205) 6070,2267 6115,2312 ; v1(6205,2300) 6207.62,2302.62 6278.66,2302.62 ; 6260,2410 6260,2462.01 6255,2467.01 ; 6265,1955 6278.66,1968.66 6278.66,2090 6120,2090 6115,2095 6040,2095 5995,2140 5995,2467.01 ; 6315.48,1676.57 5695.48,1676.57 5630.48,1611.57 4731.57,1611.57 4490,1370 ; 6350,2410 6364.66,2395.34 6364.66,2302.62 ; 6364.06,2196.31 6365,2195.38 6365,1955 ; v1(6460,2125) 6473.82,2138.82 6473.82,2203.86 ; 6525,2050.31 6572.24,2097.56 6572.24,2203.86 6575,2206.61 v1(6575,2275) ; 6545,2410 6545,2442.01 6520,2467.01 6255,2467.01 ; 1650,2467.01 1887.99,2467.01 ; 1887.99,2467.01 2030,2467.01 ; 2030,2467.01 2310,2467.01 ; 2310,2467.01 2537.99,2467.01 ; 2537.99,2467.01 2665,2467.01 ; 2630.48,1873.43 3171.57,1873.43 ; 2665,2467.01 2950,2467.01 ; 2950,2467.01 3230,2467.01 ; 3230,2467.01 3330,2467.01 ; 3330,2467.01 3615,2467.01 ; 3615,2467.01 3895,2467.01 ; 3895,2467.01 4005,2467.01 ; 4005,2467.01 4280,2467.01 ; 4280,2467.01 4560,2467.01 ; 4560,2467.01 4660,2467.01 ; 4660,2467.01 4940,2467.01 ; 4940,2467.01 5220,2467.01 ; 5220,2467.01 5330,2467.01 ; 5330,2467.01 5600,2467.01 ; 5600,2467.01 5885,2467.01 ; 5885,2467.01 5995,2467.01 ; 5995,2467.01 6255,2467.01